# KiCad board EKO_Miner_BM1366-13xx_16-01B.kicad_pcb
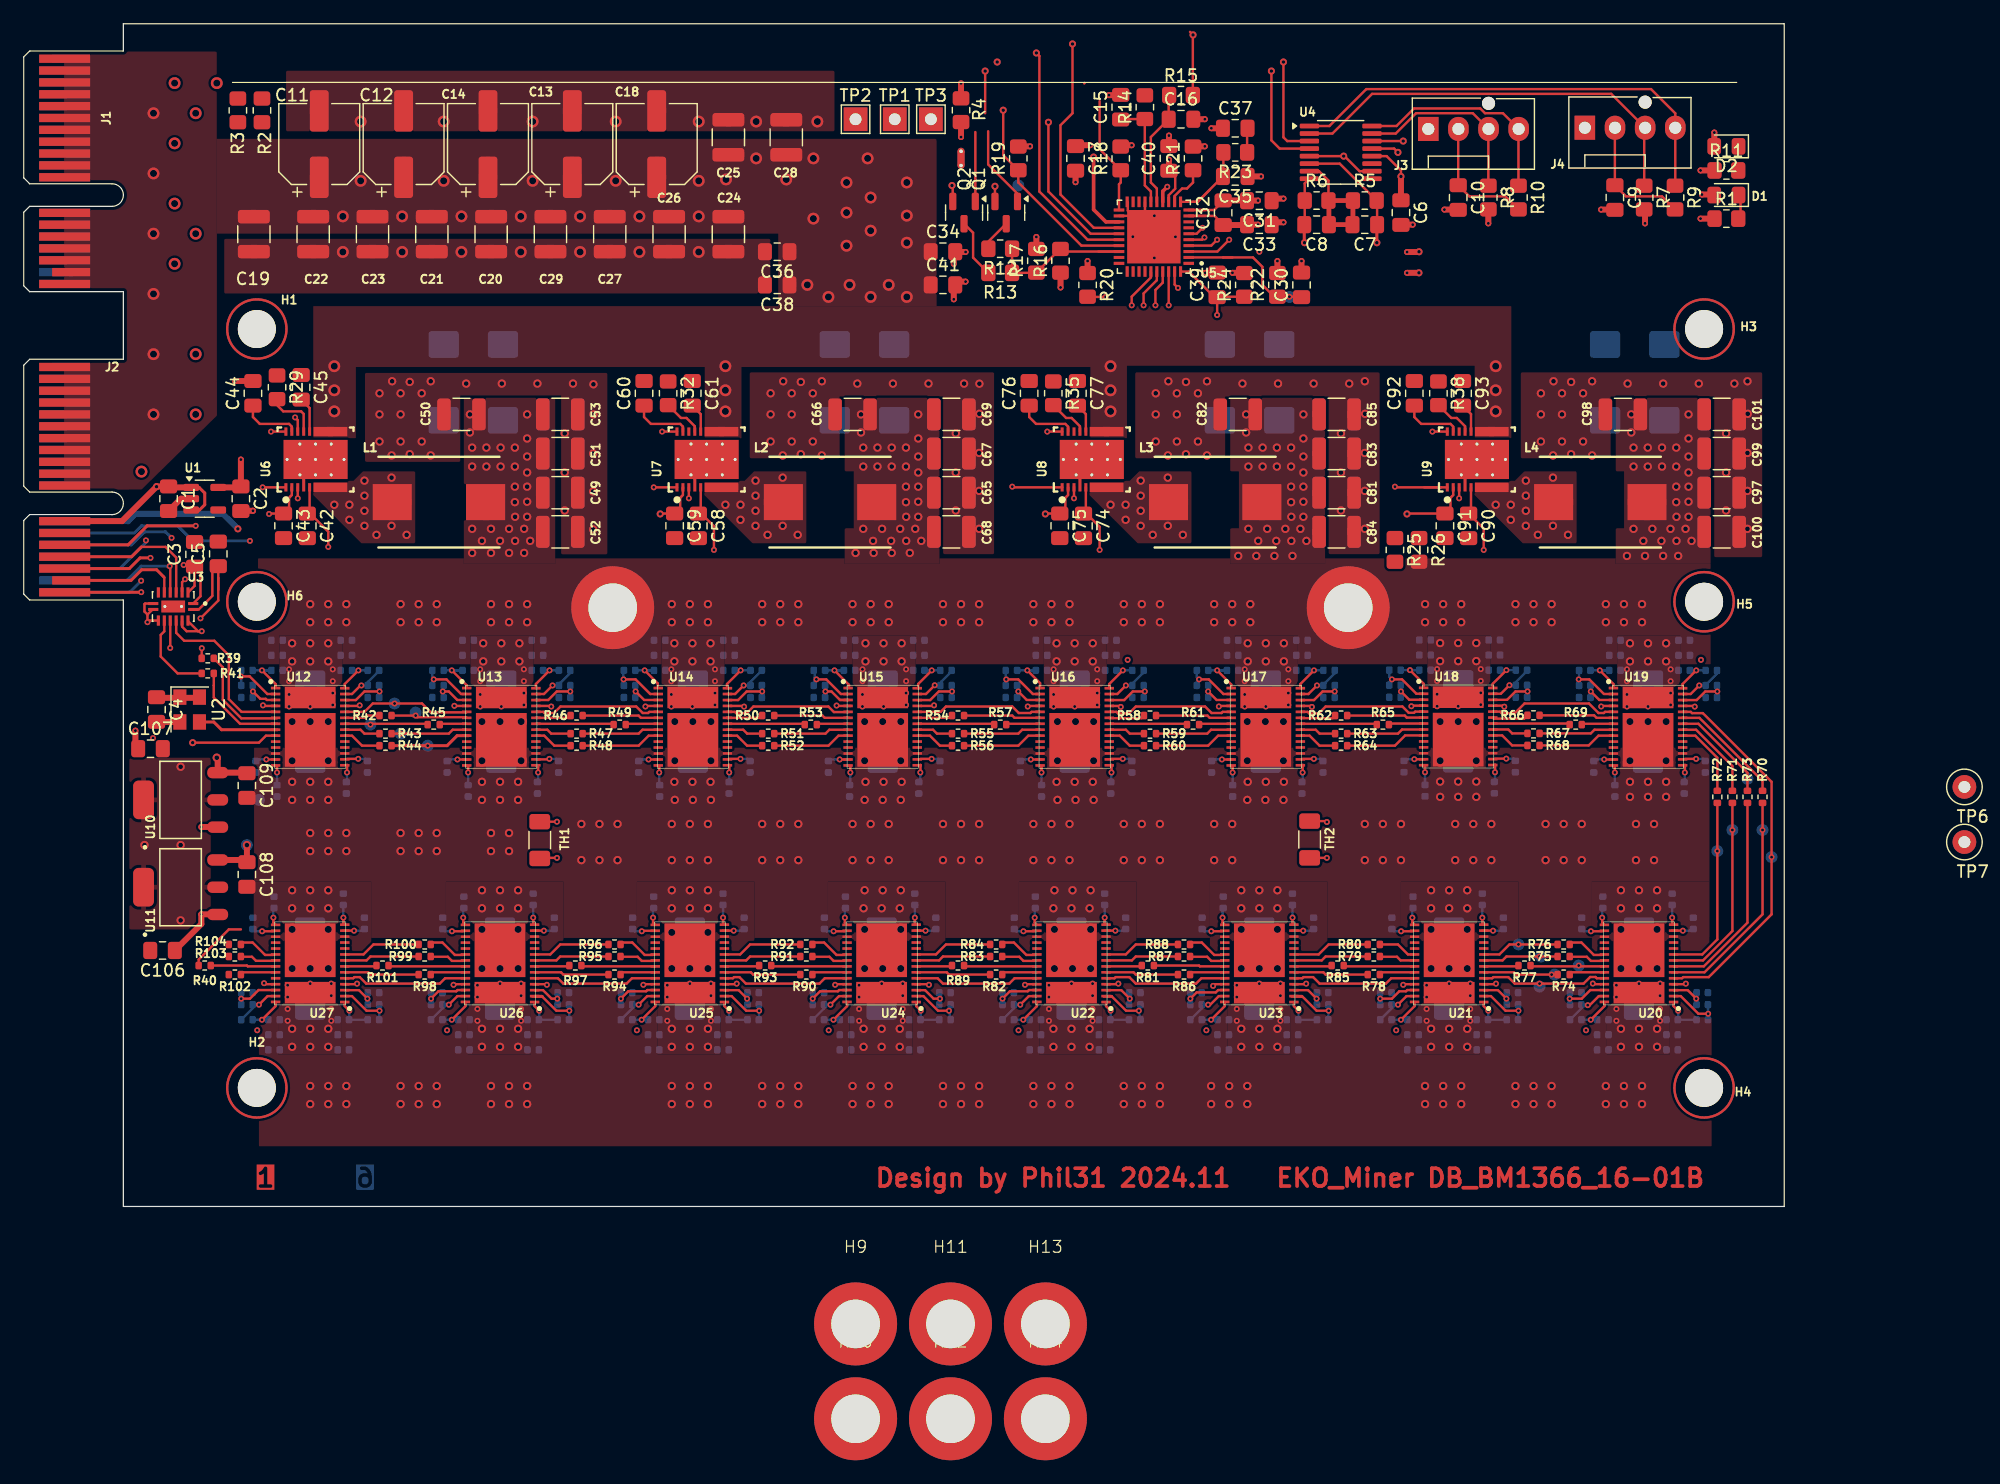
[diagram p0: board, top side]
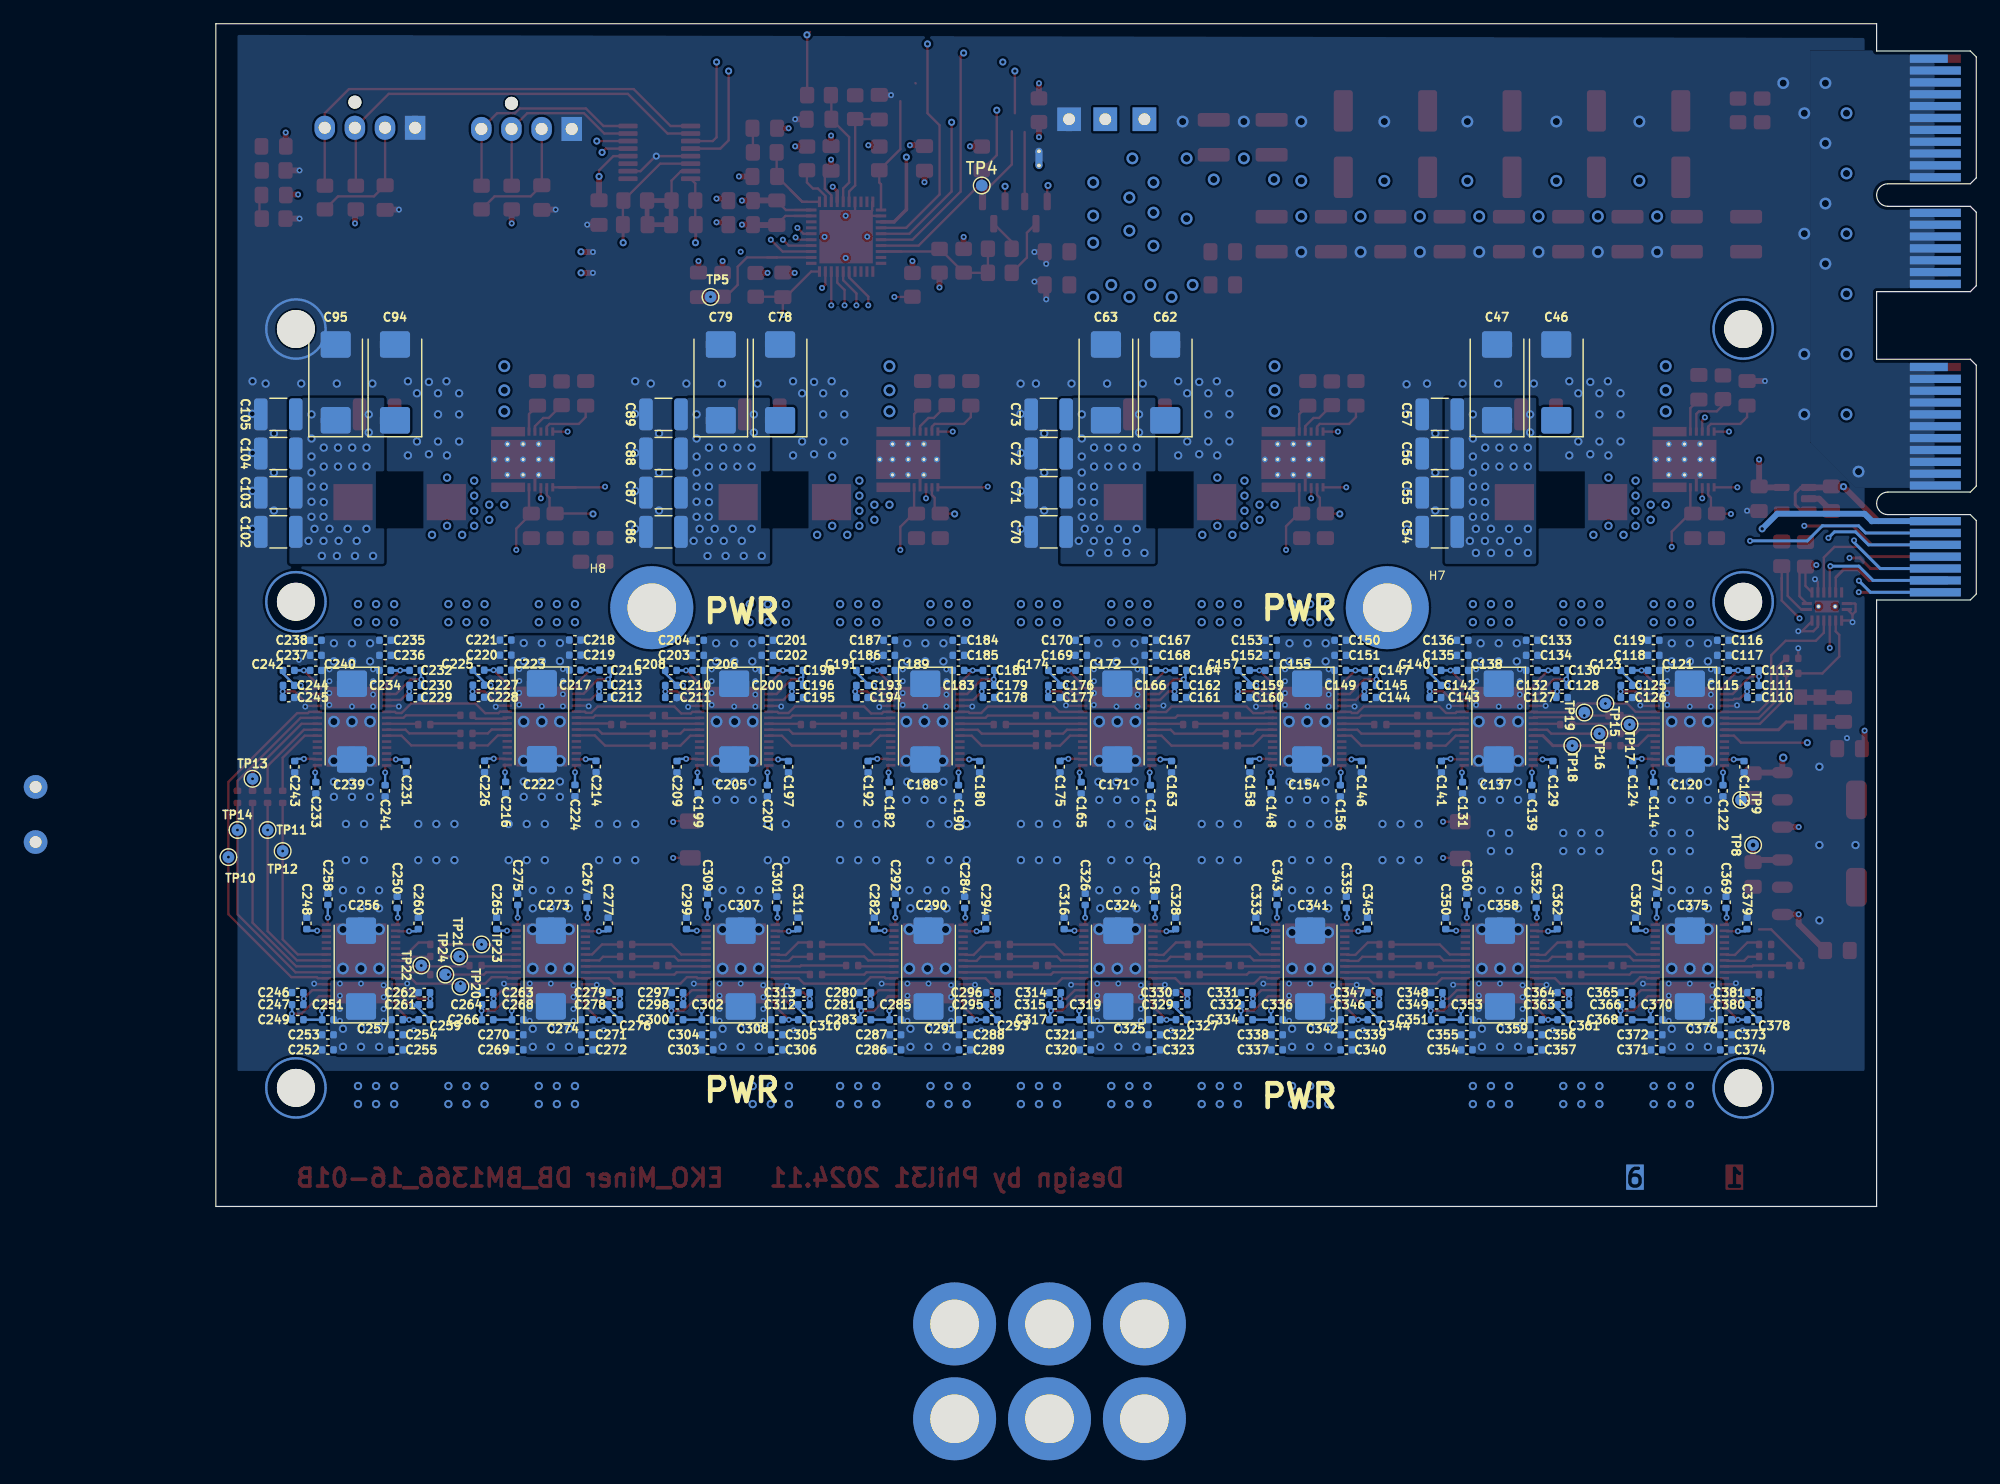
[diagram p1: board, bottom side, seen from below]

Outline 148.4 x 99.75 mm; copper layers: Top, In1.Cu, In2.Cu, In3.Cu, In4.Cu, Bottom. Coordinates in mm from the lower left corner of the outline.
Outline path: 8.4,97.45 8.4,99.75 148.4,99.75 148.4,0 8.4,0 8.4,51.15 ; 8.4,77.15 8.4,71.45
Stack: Top 0.035mm / dielectric 0.1mm FR4 er 4.5 / In1.Cu 0.035mm / dielectric 0.535mm FR4 er 4.5 / In2.Cu 0.035mm / dielectric 0.1mm FR4 er 4.5 / In3.Cu 0.035mm / dielectric 0.535mm FR4 er 4.5 / In4.Cu 0.035mm / dielectric 0.1mm FR4 er 4.5 / Bottom 0.035mm

## Placement (name value [footprint] x y rotation side)
C1  1uF  [C_0805_2012Metric_Pad1.18x1.45mm_HandSolder]  12.21 59.69 270 top
C2  1uF  [C_0805_2012Metric_Pad1.18x1.45mm_HandSolder]  18.31 59.69 270 top
C3  100nF  [C_0805_2012Metric_Pad1.18x1.45mm_HandSolder]  14.4 55 90 top
C4  100nF  [C_0805_2012Metric_Pad1.18x1.45mm_HandSolder]  11.19 41.91 270 top
C5  100nF  [C_0805_2012Metric_Pad1.18x1.45mm_HandSolder]  16.4 55.04 90 top
C6  100nF  [C_0805_2012Metric_Pad1.18x1.45mm_HandSolder]  116.1 83.82 270 top
C7  100PF  [C_0805_2012Metric_Pad1.18x1.45mm_HandSolder]  113.05 82.8 180 top
C8  100PF  [C_0805_2012Metric_Pad1.18x1.45mm_HandSolder]  108.98 82.8 180 top
C9  100nF  [C_0805_2012Metric_Pad1.18x1.45mm_HandSolder]  134.13 85.09 270 top
C10  100nF  [C_0805_2012Metric_Pad1.18x1.45mm_HandSolder]  120.92 85.09 270 top
C11  270uF  [CP_Elec_6.3x5.9]  24.91 89.6 90 top
C12  270uF  [CP_Elec_6.3x5.9]  32.02 89.6 90 top
C13  270uF  [CP_Elec_6.3x5.9]  46.25 89.6 90 top
C14  270uF  [CP_Elec_6.3x5.9]  39.13 89.6 90 top
C15  1uF  [C_0805_2012Metric_Pad1.18x1.45mm_HandSolder]  92.47 92.71 90 top
C16  1uF  [C_0805_2012Metric_Pad1.18x1.45mm_HandSolder]  97.55 91.69 0 top
C17  1uF  [C_0805_2012Metric_Pad1.18x1.45mm_HandSolder]  88.66 88.39 270 top
C18  270uF  [CP_Elec_6.3x5.9]  53.36 89.6 90 top
C19  47uF  [C_1210_3225Metric]  19.4 82 270 top
C20  47uF  [C_1210_3225Metric]  39.4 82 270 top
C21  47uF  [C_1210_3225Metric]  34.4 82 270 top
C22  47uF  [C_1210_3225Metric]  24.4 82 270 top
C23  47uF  [C_1210_3225Metric]  29.4 82 270 top
C24  22uF  [C_1210_3225Metric]  59.4 82 270 top
C25  22uF  [C_1210_3225Metric]  59.4 90.17 90 top
C26  22uF  [C_1210_3225Metric]  54.4 82 270 top
C27  22uF  [C_1210_3225Metric]  49.4 82 270 top
C28  22uF  [C_1210_3225Metric]  64.28 90.17 90 top
C29  22uF  [C_1210_3225Metric]  44.4 82 270 top
C30  2.2nF  [C_0805_2012Metric_Pad1.18x1.45mm_HandSolder]  107.71 77.72 90 top
C31  22pF  [C_0805_2012Metric_Pad1.18x1.45mm_HandSolder]  104.16 84.82 180 top
C32  100pF  [C_0805_2012Metric_Pad1.18x1.45mm_HandSolder]  101.11 83.81 90 top
C33  22pF  [C_0805_2012Metric_Pad1.18x1.45mm_HandSolder]  104.16 82.8 180 top
C34  1uF  [C_0805_2012Metric_Pad1.18x1.45mm_HandSolder]  77.49 80.52 0 top
C35  56pF  [C_0805_2012Metric_Pad1.18x1.45mm_HandSolder]  102.13 86.87 180 top
C36  1uF  [C_0805_2012Metric_Pad1.18x1.45mm_HandSolder]  63.52 80.52 180 top
C37  1nF  [C_0805_2012Metric_Pad1.18x1.45mm_HandSolder]  102.13 90.93 0 top
C38  100nF  [C_0805_2012Metric_Pad1.18x1.45mm_HandSolder]  63.52 77.72 180 top
C39  1nF  [C_0805_2012Metric_Pad1.18x1.45mm_HandSolder]  100.6 77.72 90 top
C40  330nF  [C_0805_2012Metric_Pad1.18x1.45mm_HandSolder]  96.54 88.39 90 top
C41  100nF  [C_0805_2012Metric_Pad1.18x1.45mm_HandSolder]  77.49 77.72 0 top
C42  10uF  [C_0805_2012Metric_Pad1.18x1.45mm_HandSolder]  23.9 57.4 270 top
C43  100nF  [C_0805_2012Metric_Pad1.18x1.45mm_HandSolder]  21.9 57.4 270 top
C44  1nF  [C_0805_2012Metric_Pad1.18x1.45mm_HandSolder]  19.32 68.58 90 top
C45  100nF  [C_0805_2012Metric_Pad1.18x1.45mm_HandSolder]  23.39 69.09 270 top
C46  330uF  [CP_EIA-7343-31_Kemet-D_Pad2.25x2.55mm_HandSolder]  35.4 69.5 90 bottom
C47  330uF  [CP_EIA-7343-31_Kemet-D_Pad2.25x2.55mm_HandSolder]  40.4 69.5 90 bottom
C49  100uF  [C_1210_3225Metric]  45.23 60.2 0 top
C50  100uF  [C_1210_3225Metric]  36.9 66.8 180 top
C51  100uF  [C_1210_3225Metric]  45.23 63.5 0 top
C52  100uF  [C_1210_3225Metric]  45.23 56.9 0 top
C53  100uF  [C_1210_3225Metric]  45.23 66.8 0 top
C54  100uF  [C_1210_3225Metric]  45.23 56.9 0 bottom
C55  100uF  [C_1210_3225Metric]  45.23 60.2 0 bottom
C56  100uF  [C_1210_3225Metric]  45.23 63.5 0 bottom
C57  100uF  [C_1210_3225Metric]  45.23 66.8 0 bottom
C58  10uF  [C_0805_2012Metric_Pad1.18x1.45mm_HandSolder]  56.87 57.4 270 top
C59  100nF  [C_0805_2012Metric_Pad1.18x1.45mm_HandSolder]  54.87 57.4 270 top
C60  1nF  [C_0805_2012Metric_Pad1.18x1.45mm_HandSolder]  52.29 68.58 90 top
C61  100nF  [C_0805_2012Metric_Pad1.18x1.45mm_HandSolder]  56.35 68.58 270 top
C62  330uF  [CP_EIA-7343-31_Kemet-D_Pad2.25x2.55mm_HandSolder]  68.37 69.5 90 bottom
C63  330uF  [CP_EIA-7343-31_Kemet-D_Pad2.25x2.55mm_HandSolder]  73.37 69.5 90 bottom
C65  100uF  [C_1210_3225Metric]  78.2 60.2 0 top
C66  100uF  [C_1210_3225Metric]  69.87 66.8 180 top
C67  100uF  [C_1210_3225Metric]  78.2 63.5 0 top
C68  100uF  [C_1210_3225Metric]  78.2 56.9 0 top
C69  100uF  [C_1210_3225Metric]  78.2 66.8 0 top
C70  100uF  [C_1210_3225Metric]  78.2 56.9 0 bottom
C71  100uF  [C_1210_3225Metric]  78.2 60.2 0 bottom
C72  100uF  [C_1210_3225Metric]  78.2 63.5 0 bottom
C73  100uF  [C_1210_3225Metric]  78.2 66.8 0 bottom
C74  10uF  [C_0805_2012Metric_Pad1.18x1.45mm_HandSolder]  89.34 57.4 270 top
C75  100nF  [C_0805_2012Metric_Pad1.18x1.45mm_HandSolder]  87.34 57.4 270 top
C76  1nF  [C_0805_2012Metric_Pad1.18x1.45mm_HandSolder]  84.76 68.58 90 top
C77  100nF  [C_0805_2012Metric_Pad1.18x1.45mm_HandSolder]  88.82 68.58 270 top
C78  330uF  [CP_EIA-7343-31_Kemet-D_Pad2.25x2.55mm_HandSolder]  100.84 69.5 90 bottom
C79  330uF  [CP_EIA-7343-31_Kemet-D_Pad2.25x2.55mm_HandSolder]  105.84 69.5 90 bottom
C81  100uF  [C_1210_3225Metric]  110.67 60.2 0 top
C82  100uF  [C_1210_3225Metric]  102.34 66.8 180 top
C83  100uF  [C_1210_3225Metric]  110.67 63.5 0 top
C84  100uF  [C_1210_3225Metric]  110.67 56.9 0 top
C85  100uF  [C_1210_3225Metric]  110.67 66.8 0 top
C86  100uF  [C_1210_3225Metric]  110.67 56.9 0 bottom
C87  100uF  [C_1210_3225Metric]  110.67 60.2 0 bottom
C88  100uF  [C_1210_3225Metric]  110.67 63.5 0 bottom
C89  100uF  [C_1210_3225Metric]  110.67 66.8 0 bottom
C90  10uF  [C_0805_2012Metric_Pad1.18x1.45mm_HandSolder]  121.8 57.4 270 top
C91  100nF  [C_0805_2012Metric_Pad1.18x1.45mm_HandSolder]  119.8 57.4 270 top
C92  1nF  [C_0805_2012Metric_Pad1.18x1.45mm_HandSolder]  117.22 68.58 90 top
C93  100nF  [C_0805_2012Metric_Pad1.18x1.45mm_HandSolder]  121.29 68.58 270 top
C94  330uF  [CP_EIA-7343-31_Kemet-D_Pad2.25x2.55mm_HandSolder]  133.3 69.5 90 bottom
C95  330uF  [CP_EIA-7343-31_Kemet-D_Pad2.25x2.55mm_HandSolder]  138.3 69.5 90 bottom
C97  100uF  [C_1210_3225Metric]  143.13 60.2 0 top
C98  100uF  [C_1210_3225Metric]  134.8 66.8 180 top
C99  100uF  [C_1210_3225Metric]  143.13 63.5 0 top
C100  100uF  [C_1210_3225Metric]  143.13 56.9 0 top
C101  100uF  [C_1210_3225Metric]  143.13 66.8 0 top
C102  100uF  [C_1210_3225Metric]  143.13 56.9 0 bottom
C103  100uF  [C_1210_3225Metric]  143.13 60.2 0 bottom
C104  100uF  [C_1210_3225Metric]  143.13 63.5 0 bottom
C105  100uF  [C_1210_3225Metric]  143.13 66.8 0 bottom
C106  1uF  [C_0805_2012Metric_Pad1.18x1.45mm_HandSolder]  11.7 21.59 180 top
C107  1uF  [C_0805_2012Metric_Pad1.18x1.45mm_HandSolder]  10.69 38.61 0 top
C108  1uF  [C_0805_2012Metric_Pad1.18x1.45mm_HandSolder]  18.81 28 270 top
C109  1uF  [C_0805_2012Metric_Pad1.18x1.45mm_HandSolder]  18.81 35.5 270 top
C110  1uF  [C_0402_1005Metric]  18.81 42.93 0 bottom
C111  1uF  [C_0402_1005Metric]  18.81 43.94 180 bottom
C112  1uF  [C_0402_1005Metric]  19.58 37.08 270 bottom
C113  1uF  [C_0402_1005Metric]  18.81 45.21 0 bottom
C114  1uF  [C_0402_1005Metric]  27.2 35.31 270 bottom
C115  1uF  [C_0402_1005Metric]  21.35 45.21 0 bottom
C116  100nF  [C_0402_1005Metric]  21.35 47.75 180 bottom
C117  100nF  [C_0402_1005Metric]  21.35 46.48 180 bottom
C118  1uF  [C_0402_1005Metric]  27.2 46.48 0 bottom
C119  1uF  [C_0402_1005Metric]  27.2 47.75 0 bottom
C120  330uF  [CP_EIA-7343-31_Kemet-D_Pad2.25x2.55mm_HandSolder]  24.15 40.89 270 bottom
C121  1uF  [C_0402_1005Metric]  27.2 45.21 0 bottom
C122  1uF  [C_0402_1005Metric]  21.35 35.05 270 bottom
C123  1uF  [C_0402_1005Metric]  29.48 45.21 0 bottom
C124  1uF  [C_0402_1005Metric]  28.97 37.08 270 bottom
C125  1uF  [C_0402_1005Metric]  29.48 43.94 0 bottom
C126  1uF  [C_0402_1005Metric]  29.48 42.93 180 bottom
C127  1uF  [C_0402_1005Metric]  34.92 42.93 0 bottom
C128  1uF  [C_0402_1005Metric]  34.92 43.94 180 bottom
C129  1uF  [C_0402_1005Metric]  35.69 37.08 270 bottom
C130  1uF  [C_0402_1005Metric]  34.92 45.21 0 bottom
C131  1uF  [C_0402_1005Metric]  43.31 35.31 270 bottom
C132  1uF  [C_0402_1005Metric]  37.46 45.21 0 bottom
C133  100nF  [C_0402_1005Metric]  37.46 47.75 180 bottom
C134  100nF  [C_0402_1005Metric]  37.46 46.48 180 bottom
C135  1uF  [C_0402_1005Metric]  43.31 46.48 0 bottom
C136  1uF  [C_0402_1005Metric]  43.31 47.75 0 bottom
C137  330uF  [CP_EIA-7343-31_Kemet-D_Pad2.25x2.55mm_HandSolder]  40.26 40.89 270 bottom
C138  1uF  [C_0402_1005Metric]  43.31 45.21 0 bottom
C139  1uF  [C_0402_1005Metric]  37.46 35.05 270 bottom
C140  1uF  [C_0402_1005Metric]  45.59 45.21 0 bottom
C141  1uF  [C_0402_1005Metric]  45.08 37.08 270 bottom
C142  1uF  [C_0402_1005Metric]  45.59 43.94 0 bottom
C143  1uF  [C_0402_1005Metric]  45.59 42.93 180 bottom
C144  1uF  [C_0402_1005Metric]  51.07 42.93 0 bottom
C145  1uF  [C_0402_1005Metric]  51.07 43.94 180 bottom
C146  1uF  [C_0402_1005Metric]  51.83 37.08 270 bottom
C147  1uF  [C_0402_1005Metric]  51.07 45.21 0 bottom
C148  1uF  [C_0402_1005Metric]  59.45 35.31 270 bottom
C149  1uF  [C_0402_1005Metric]  53.61 45.21 0 bottom
C150  100nF  [C_0402_1005Metric]  53.61 47.75 180 bottom
C151  100nF  [C_0402_1005Metric]  53.61 46.48 180 bottom
C152  1uF  [C_0402_1005Metric]  59.45 46.48 0 bottom
C153  1uF  [C_0402_1005Metric]  59.45 47.75 0 bottom
C154  330uF  [CP_EIA-7343-31_Kemet-D_Pad2.25x2.55mm_HandSolder]  56.41 40.89 270 bottom
C155  1uF  [C_0402_1005Metric]  59.45 45.21 0 bottom
C156  1uF  [C_0402_1005Metric]  53.61 35.05 270 bottom
C157  1uF  [C_0402_1005Metric]  61.74 45.21 0 bottom
C158  1uF  [C_0402_1005Metric]  61.23 37.08 270 bottom
C159  1uF  [C_0402_1005Metric]  61.74 43.94 0 bottom
C160  1uF  [C_0402_1005Metric]  61.74 42.93 180 bottom
C161  1uF  [C_0402_1005Metric]  67.07 42.93 0 bottom
C162  1uF  [C_0402_1005Metric]  67.07 43.94 180 bottom
C163  1uF  [C_0402_1005Metric]  67.84 37.08 270 bottom
C164  1uF  [C_0402_1005Metric]  67.07 45.21 0 bottom
C165  1uF  [C_0402_1005Metric]  75.46 35.31 270 bottom
C166  1uF  [C_0402_1005Metric]  69.61 45.21 0 bottom
C167  100nF  [C_0402_1005Metric]  69.61 47.75 180 bottom
C168  100nF  [C_0402_1005Metric]  69.61 46.48 180 bottom
C169  1uF  [C_0402_1005Metric]  75.46 46.48 0 bottom
C170  1uF  [C_0402_1005Metric]  75.46 47.75 0 bottom
C171  330uF  [CP_EIA-7343-31_Kemet-D_Pad2.25x2.55mm_HandSolder]  72.41 40.89 270 bottom
C172  1uF  [C_0402_1005Metric]  75.46 45.21 0 bottom
C173  1uF  [C_0402_1005Metric]  69.61 35.05 270 bottom
C174  1uF  [C_0402_1005Metric]  77.74 45.21 0 bottom
C175  1uF  [C_0402_1005Metric]  77.23 37.08 270 bottom
C176  1uF  [C_0402_1005Metric]  77.74 43.94 0 bottom
C177  1uF  [C_0402_1005Metric]  77.74 42.93 180 bottom
C178  1uF  [C_0402_1005Metric]  83.26 42.93 0 bottom
C179  1uF  [C_0402_1005Metric]  83.26 43.94 180 bottom
C180  1uF  [C_0402_1005Metric]  84.02 37.08 270 bottom
C181  1uF  [C_0402_1005Metric]  83.26 45.21 0 bottom
C182  1uF  [C_0402_1005Metric]  91.64 35.31 270 bottom
C183  1uF  [C_0402_1005Metric]  85.8 45.21 0 bottom
C184  100nF  [C_0402_1005Metric]  85.8 47.75 180 bottom
C185  100nF  [C_0402_1005Metric]  85.8 46.48 180 bottom
C186  1uF  [C_0402_1005Metric]  91.64 46.48 0 bottom
C187  1uF  [C_0402_1005Metric]  91.64 47.75 0 bottom
C188  330uF  [CP_EIA-7343-31_Kemet-D_Pad2.25x2.55mm_HandSolder]  88.59 40.89 270 bottom
C189  1uF  [C_0402_1005Metric]  91.64 45.21 0 bottom
C190  1uF  [C_0402_1005Metric]  85.8 35.05 270 bottom
C191  1uF  [C_0402_1005Metric]  93.93 45.21 0 bottom
C192  1uF  [C_0402_1005Metric]  93.42 37.08 270 bottom
C193  1uF  [C_0402_1005Metric]  93.93 43.94 0 bottom
C194  1uF  [C_0402_1005Metric]  93.93 42.93 180 bottom
C195  1uF  [C_0402_1005Metric]  99.37 42.93 0 bottom
C196  1uF  [C_0402_1005Metric]  99.37 43.94 180 bottom
C197  1uF  [C_0402_1005Metric]  100.13 37.08 270 bottom
C198  1uF  [C_0402_1005Metric]  99.37 45.21 0 bottom
C199  1uF  [C_0402_1005Metric]  107.75 35.31 270 bottom
C200  1uF  [C_0402_1005Metric]  101.91 45.21 0 bottom
C201  100nF  [C_0402_1005Metric]  101.91 47.75 180 bottom
C202  100nF  [C_0402_1005Metric]  101.91 46.48 180 bottom
C203  1uF  [C_0402_1005Metric]  107.75 46.48 0 bottom
C204  1uF  [C_0402_1005Metric]  107.75 47.75 0 bottom
C205  330uF  [CP_EIA-7343-31_Kemet-D_Pad2.25x2.55mm_HandSolder]  104.7 40.89 270 bottom
C206  1uF  [C_0402_1005Metric]  107.75 45.21 0 bottom
C207  1uF  [C_0402_1005Metric]  101.91 35.05 270 bottom
C208  1uF  [C_0402_1005Metric]  110.04 45.21 0 bottom
C209  1uF  [C_0402_1005Metric]  109.53 37.08 270 bottom
C210  1uF  [C_0402_1005Metric]  110.04 43.94 0 bottom
C211  1uF  [C_0402_1005Metric]  110.04 42.93 180 bottom
C212  1uF  [C_0402_1005Metric]  115.59 42.95 0 bottom
C213  1uF  [C_0402_1005Metric]  115.59 43.96 180 bottom
C214  1uF  [C_0402_1005Metric]  116.35 37.1 270 bottom
C215  1uF  [C_0402_1005Metric]  115.59 45.23 0 bottom
C216  1uF  [C_0402_1005Metric]  123.97 35.33 270 bottom
C217  1uF  [C_0402_1005Metric]  118.13 45.23 0 bottom
C218  100nF  [C_0402_1005Metric]  118.13 47.77 180 bottom
C219  100nF  [C_0402_1005Metric]  118.13 46.5 180 bottom
C220  1uF  [C_0402_1005Metric]  123.97 46.5 0 bottom
C221  1uF  [C_0402_1005Metric]  123.97 47.77 0 bottom
C222  330uF  [CP_EIA-7343-31_Kemet-D_Pad2.25x2.55mm_HandSolder]  120.92 40.91 270 bottom
C223  1uF  [C_0402_1005Metric]  123.97 45.23 0 bottom
C224  1uF  [C_0402_1005Metric]  118.13 35.07 270 bottom
C225  1uF  [C_0402_1005Metric]  126.26 45.23 0 bottom
C226  1uF  [C_0402_1005Metric]  125.75 37.1 270 bottom
C227  1uF  [C_0402_1005Metric]  126.26 43.96 0 bottom
C228  1uF  [C_0402_1005Metric]  126.26 42.95 180 bottom
C229  1uF  [C_0402_1005Metric]  131.59 42.93 0 bottom
C230  1uF  [C_0402_1005Metric]  131.59 43.94 180 bottom
C231  1uF  [C_0402_1005Metric]  132.35 37.08 270 bottom
C232  1uF  [C_0402_1005Metric]  131.59 45.21 0 bottom
C233  1uF  [C_0402_1005Metric]  139.97 35.31 270 bottom
C234  1uF  [C_0402_1005Metric]  134.13 45.21 0 bottom
C235  100nF  [C_0402_1005Metric]  134.13 47.75 180 bottom
C236  100nF  [C_0402_1005Metric]  134.13 46.48 180 bottom
C237  1uF  [C_0402_1005Metric]  139.97 46.48 0 bottom
C238  1uF  [C_0402_1005Metric]  139.97 47.75 0 bottom
C239  330uF  [CP_EIA-7343-31_Kemet-D_Pad2.25x2.55mm_HandSolder]  136.92 40.89 270 bottom
C240  1uF  [C_0402_1005Metric]  139.97 45.21 0 bottom
C241  1uF  [C_0402_1005Metric]  134.13 35.05 270 bottom
C242  1uF  [C_0402_1005Metric]  142.26 45.21 0 bottom
C243  1uF  [C_0402_1005Metric]  141.75 37.08 270 bottom
C244  1uF  [C_0402_1005Metric]  142.26 43.94 0 bottom
C245  1uF  [C_0402_1005Metric]  142.26 42.93 180 bottom
C246  1uF  [C_0402_1005Metric]  141.5 18.03 180 bottom
C247  1uF  [C_0402_1005Metric]  141.5 17.02 0 bottom
C248  1uF  [C_0402_1005Metric]  140.73 23.88 90 bottom
C249  1uF  [C_0402_1005Metric]  141.5 15.75 180 bottom
C250  1uF  [C_0402_1005Metric]  133.11 25.65 90 bottom
C251  1uF  [C_0402_1005Metric]  138.96 15.75 180 bottom
C252  100nF  [C_0402_1005Metric]  138.96 13.21 0 bottom
C253  100nF  [C_0402_1005Metric]  138.96 14.48 0 bottom
C254  1uF  [C_0402_1005Metric]  133.11 14.48 180 bottom
C255  1uF  [C_0402_1005Metric]  133.11 13.21 180 bottom
C256  330uF  [CP_EIA-7343-31_Kemet-D_Pad2.25x2.55mm_HandSolder]  136.16 20.07 90 bottom
C257  1uF  [C_0402_1005Metric]  133.11 15.75 180 bottom
C258  1uF  [C_0402_1005Metric]  138.96 25.91 90 bottom
C259  1uF  [C_0402_1005Metric]  130.83 15.75 180 bottom
C260  1uF  [C_0402_1005Metric]  131.34 23.88 90 bottom
C261  1uF  [C_0402_1005Metric]  130.83 17.02 180 bottom
C262  1uF  [C_0402_1005Metric]  130.83 18.03 0 bottom
C263  1uF  [C_0402_1005Metric]  125.49 18.03 180 bottom
C264  1uF  [C_0402_1005Metric]  125.49 17.02 0 bottom
C265  1uF  [C_0402_1005Metric]  124.73 23.88 90 bottom
C266  1uF  [C_0402_1005Metric]  125.49 15.75 180 bottom
C267  1uF  [C_0402_1005Metric]  117.11 25.65 90 bottom
C268  1uF  [C_0402_1005Metric]  122.95 15.75 180 bottom
C269  100nF  [C_0402_1005Metric]  122.95 13.21 0 bottom
C270  100nF  [C_0402_1005Metric]  122.95 14.48 0 bottom
C271  1uF  [C_0402_1005Metric]  117.11 14.48 180 bottom
C272  1uF  [C_0402_1005Metric]  117.11 13.21 180 bottom
C273  330uF  [CP_EIA-7343-31_Kemet-D_Pad2.25x2.55mm_HandSolder]  120.16 20.07 90 bottom
C274  1uF  [C_0402_1005Metric]  117.11 15.75 180 bottom
C275  1uF  [C_0402_1005Metric]  122.95 25.91 90 bottom
C276  1uF  [C_0402_1005Metric]  114.83 15.75 180 bottom
C277  1uF  [C_0402_1005Metric]  115.33 23.88 90 bottom
C278  1uF  [C_0402_1005Metric]  114.83 17.02 180 bottom
C279  1uF  [C_0402_1005Metric]  114.83 18.03 0 bottom
C280  1uF  [C_0402_1005Metric]  93.66 18.03 180 bottom
C281  1uF  [C_0402_1005Metric]  93.66 17.02 0 bottom
C282  1uF  [C_0402_1005Metric]  92.89 23.88 90 bottom
C283  1uF  [C_0402_1005Metric]  93.66 15.75 180 bottom
C284  1uF  [C_0402_1005Metric]  85.27 25.65 90 bottom
C285  1uF  [C_0402_1005Metric]  91.12 15.75 180 bottom
C286  100nF  [C_0402_1005Metric]  91.12 13.21 0 bottom
C287  100nF  [C_0402_1005Metric]  91.12 14.48 0 bottom
C288  1uF  [C_0402_1005Metric]  85.27 14.48 180 bottom
C289  1uF  [C_0402_1005Metric]  85.27 13.21 180 bottom
C290  330uF  [CP_EIA-7343-31_Kemet-D_Pad2.25x2.55mm_HandSolder]  88.32 20.07 90 bottom
C291  1uF  [C_0402_1005Metric]  85.27 15.75 180 bottom
C292  1uF  [C_0402_1005Metric]  91.12 25.91 90 bottom
C293  1uF  [C_0402_1005Metric]  82.99 15.75 180 bottom
C294  1uF  [C_0402_1005Metric]  83.5 23.88 90 bottom
C295  1uF  [C_0402_1005Metric]  82.99 17.02 180 bottom
C296  1uF  [C_0402_1005Metric]  82.99 18.03 0 bottom
C297  1uF  [C_0402_1005Metric]  109.49 18.03 180 bottom
C298  1uF  [C_0402_1005Metric]  109.49 17.02 0 bottom
C299  1uF  [C_0402_1005Metric]  108.73 23.88 90 bottom
C300  1uF  [C_0402_1005Metric]  109.49 15.75 180 bottom
C301  1uF  [C_0402_1005Metric]  101.11 25.65 90 bottom
C302  1uF  [C_0402_1005Metric]  106.95 15.75 180 bottom
C303  100nF  [C_0402_1005Metric]  106.95 13.21 0 bottom
C304  100nF  [C_0402_1005Metric]  106.95 14.48 0 bottom
C305  1uF  [C_0402_1005Metric]  101.11 14.48 180 bottom
C306  1uF  [C_0402_1005Metric]  101.11 13.21 180 bottom
C307  330uF  [CP_EIA-7343-31_Kemet-D_Pad2.25x2.55mm_HandSolder]  104.16 20.07 90 bottom
C308  1uF  [C_0402_1005Metric]  101.11 15.75 180 bottom
C309  1uF  [C_0402_1005Metric]  106.95 25.91 90 bottom
C310  1uF  [C_0402_1005Metric]  98.82 15.75 180 bottom
C311  1uF  [C_0402_1005Metric]  99.33 23.88 90 bottom
C312  1uF  [C_0402_1005Metric]  98.82 17.02 180 bottom
C313  1uF  [C_0402_1005Metric]  98.82 18.03 0 bottom
C314  1uF  [C_0402_1005Metric]  77.65 18.03 180 bottom
C315  1uF  [C_0402_1005Metric]  77.65 17.02 0 bottom
C316  1uF  [C_0402_1005Metric]  76.89 23.88 90 bottom
C317  1uF  [C_0402_1005Metric]  77.65 15.75 180 bottom
C318  1uF  [C_0402_1005Metric]  69.27 25.65 90 bottom